# Altium PCB POWER_SUPPLY_20V_4A.PcbDoc (continued)
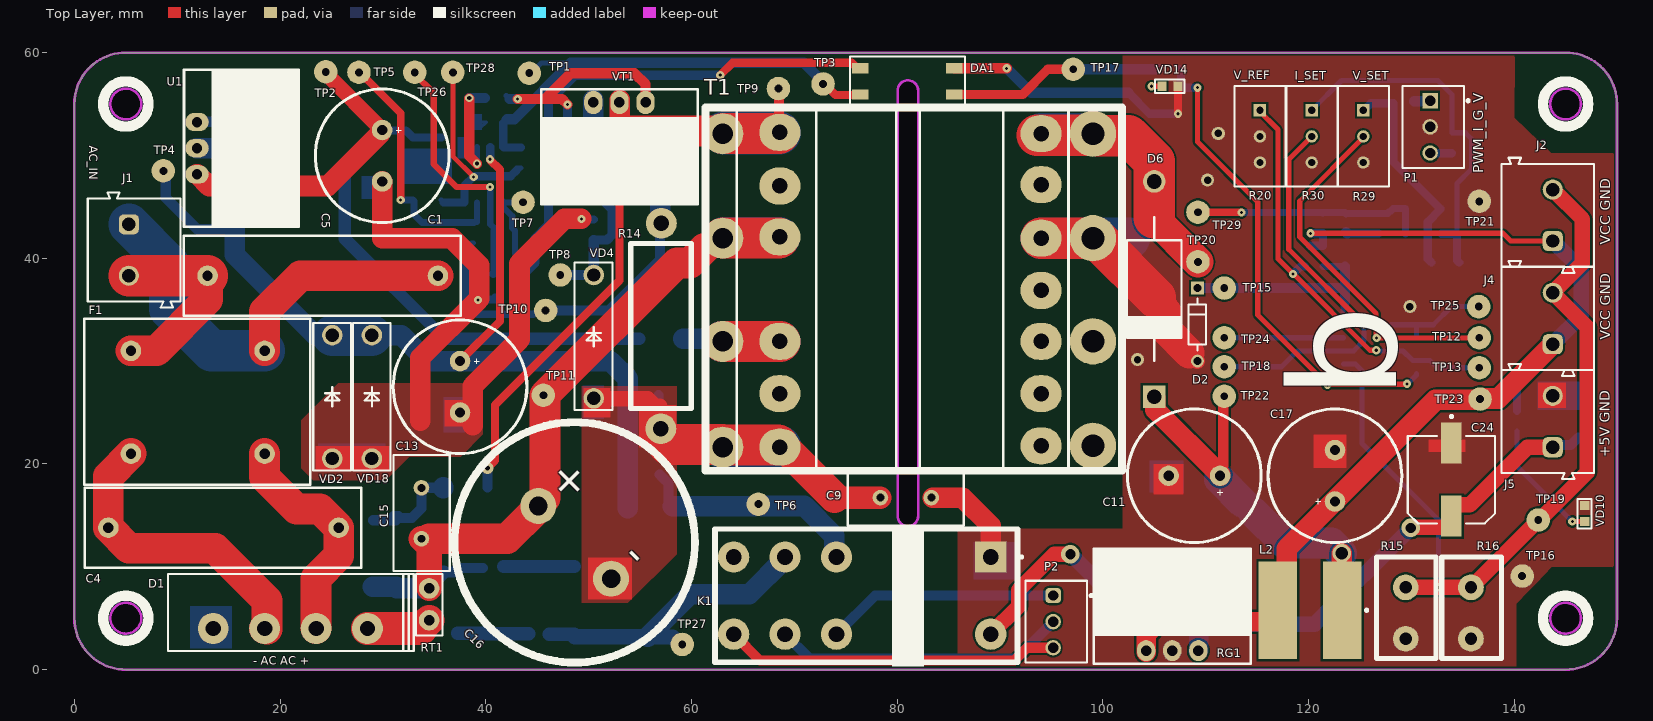
[diagram p0: Top Layer view]
## Footprints (in the part's own frame and the unit in brackets; to place one, negate y for a bottom-side part, rotate by r counter-clockwise, add the part's x,y. Pads: shape width x height; smd on the part's side, far side on the other; paste and mask are expansions set on the pad) (continued)
  silkscreen extent -320,-170 280,270, body extent -315,-165 275,265, height 997
TO-220_Bended_Rad#2 [mil]
  oval 70x90 hole 40: 1(-120,-120) 2(-20,-120) 3(80,-120)
  round 110 hole 55: 2(-20,130)
  silkscreen extent -320,-170 280,270, body extent -315,-165 275,265, height 997
TO-220_Bended_Rad#3 [mil]
  oval 70x90 hole 40: 1(-120,-120) 2(-20,-120) 3(80,-120)
  round 130 hole 60: 2(-20,130)
  silkscreen extent -320,-170 280,270, body extent -315,-165 275,265, height 997
Vishay_CRCW0805-e3_IPC_A [mil]
  rect 47.5x59.38 smd paste+0 mask+0: 1(-41.37,0) 2(41.37,0)
  silkscreen extent -3,-25 3,25, body extent -39,-25 39,25, height 20
WE-PD2_1054 [mm] "SMD Power Inductor, 2-Leads, body 10x9mm"
  rect 3.75x9.5 smd: 1(-3.125,0) 2(3.125,0)
  silkscreen extent -5.63,-0.12 -5.38,0.12, body extent -5.04,-4.5 5.04,4.5, height 5.43

## Part data
C2 C3 C6 C7 C10 C12 C14 C18 C19 C22: library part CMP-1036-04552-2, "CAP CER 0.22UF 50V X7R 0805", Capacitance="0.22 μF", Manufacturer=KEMET, Manufacturer Part Number=C0805C224K5RACTU, Package=C0805C-DN, Temperature="-55°C to +125°C", Temperature Characteristic=X7R, Temperature Coefficient=30ppm/°C, Temperature Range High=+125°C, Temperature Range Low=-55°C, Tolerance=0.1, Voltage Rating="50 V", Automotive=No, Category=Cap, ComponentLink2Description=Datasheet, ComponentLink2URL=https://content.kemet.com/datasheets/KEM_C1003_C0G_SMD.pdf, Device Class L1="Passive Components", Device Class L2=Capacitors, Device Class L3="Ceramic Capacitors", Digikey Description="CAP CER 0.22UF 50V X7R 0805", Height=0.88mm, Ipc Land Pattern Name=CAPC200125X78, Lead Free=Yes, Material=Ceramic, Mouser Description="CAP CER 0.22UF 50V X7R 0805", Octopart=https://octopart.com/c0805c224k5ractu-kemet-144670, RoHS=TRUE
C5: library part CAP-POLAR, "1000uF_50V  12x25(13x26mm)"
C8: library part CMP-1036-04552-2, "CAP CER 2.2nF 50V X7R 0805", Capacitance="0.22 μF", Manufacturer=KEMET, Manufacturer Part Number=C0805C224K5RACTU, Package=C0805C-DN, Temperature="-55°C to +125°C", Temperature Characteristic=X7R, Temperature Coefficient=30ppm/°C, Temperature Range High=+125°C, Temperature Range Low=-55°C, Tolerance=0.1, Voltage Rating="50 V", Automotive=No, Category=Cap, ComponentLink2Description=Datasheet, ComponentLink2URL=https://content.kemet.com/datasheets/KEM_C1003_C0G_SMD.pdf, Device Class L1="Passive Components", Device Class L2=Capacitors, Device Class L3="Ceramic Capacitors", Digikey Description="CAP CER 0.22UF 50V X7R 0805", Height=0.88mm, Ipc Land Pattern Name=CAPC200125X78, Lead Free=Yes, Material=Ceramic, Mouser Description="CAP CER 0.22UF 50V X7R 0805", Octopart=https://octopart.com/c0805c224k5ractu-kemet-144670, RoHS=TRUE
C11 C17: library part CAP-POLAR
C20: library part CMP-1036-04552-2, "CAP CER 0.1UF 50V X7R 0805", Capacitance="0.22 μF", Manufacturer=KEMET, Manufacturer Part Number=C0805C224K5RACTU, Package=C0805C-DN, Temperature="-55°C to +125°C", Temperature Characteristic=X7R, Temperature Coefficient=30ppm/°C, Temperature Range High=+125°C, Temperature Range Low=-55°C, Tolerance=0.1, Voltage Rating="50 V", Automotive=No, Category=Cap, ComponentLink2Description=Datasheet, ComponentLink2URL=https://content.kemet.com/datasheets/KEM_C1003_C0G_SMD.pdf, Device Class L1="Passive Components", Device Class L2=Capacitors, Device Class L3="Ceramic Capacitors", Digikey Description="CAP CER 0.22UF 50V X7R 0805", Height=0.88mm, Ipc Land Pattern Name=CAPC200125X78, Lead Free=Yes, Material=Ceramic, Mouser Description="CAP CER 0.22UF 50V X7R 0805", Octopart=https://octopart.com/c0805c224k5ractu-kemet-144670, RoHS=TRUE
C24: library part CMP-05427-000015-1, "CAP ALUM 100UF 20% 50V SMD", Capacitance=100uF, Leakage Current=100uA, Manufacturer=Panasonic, Package=SF, Ripple Current=200mA, Temperature="-40°C to +85°C", Temperature Range High=+85°C, Temperature Range Low=-40°C, Tolerance=20%, Voltage=50V, Automotive=Yes, Automotive Grade="Grade 3", Category=Cap, ComponentLink2Description=Datasheet, ComponentLink2URL=https://industrial.panasonic.com/cdbs/www-data/pdf/RDE0000/ABA0000C1145.pdf, Device Class L1="Passive Components", Device Class L2=Capacitors, Device Class L3="Aluminum Electrolytic Capacitors", Digikey Description="CAP ALUM 100UF 20% 50V SMD", Dissipation Factor=0.12%, Height=10.5mm, Lead Free=Yes, Life=2000Hours, Manufacturer Part Number=EEE-1HA101UP, Material=Aluminum, Mouser Description="Cap Aluminum Lytic 100uF 50V 20% (8 X 10.2mm) SMD 200mA 2000h 85C Automotive T/R", Octopart=https://octopart.com/eee-1ha101up-panasonic-55396734, RoHS=TRUE, Voltage Rating=50V
D2: library part CMP-02541-000026-1, "DIODE ZENER 8.2V 500MW DO35", Case/Package=DO-35, Max Operating Temperature=175°C, Max Power Dissipation=500mW, Max Reverse Leakage Current=100nA, Min Operating Temperature=-65°C, Package Quantity=30000, Test Current=5mA, Tolerance=2%, Zener Voltage=8.2V, Contact Plating=Tin, Element Configuration=Single, ESD Protection=No, Impedance=7R, Lead Free="Lead Free", Mount="Through Hole", Number of Pins=2, Packaging="Ammo Pack", Power Dissipation=500mW, Radiation Hardening=No, RoHS Compliant=Yes, Series="Automotive, AEC-Q101", Voltage Tolerance=2%
J1 J4 J5: "WR-TBL Series 101 Horizontal Entry Modular, THT, pitch 5mm, 2p", Manufacturer="Wurth Elektronik", Operating Temperature Max=105°C, Operating Temperature Min=-40°C, Rated Current=16A, Working Voltage=250V, Application="Pressure Clamp", Category="Terminal Blocks", ComponentLink1Description="Website Link", ComponentLink1URL=https://www.we-online.com/redexpert/article/691101710002?ad, ComponentLink2Description="Datasheet Link", ComponentLink2URL=https://www.we-online.com/redexpert/spec/691101710002?ad, Manufacturer Part Number=691101710002, Match Code=WR-TBL, Modularity=Yes, Mount="Through Hole", Number of Pins=2, Number of Rows=1, Orientation=Horizontal, Packaging=Box, Pitch=5mm
J2: library part 691101710002, "WR-TBL Series 101 Horizontal Entry Modular, THT, pitch 5mm, 2p", Manufacturer="Wurth Elektronik", Operating Temperature Max=105°C, Operating Temperature Min=-40°C, Rated Current=16A, Working Voltage=250V, Application="Pressure Clamp", Category="Terminal Blocks", ComponentLink1Description="Website Link", ComponentLink1URL=https://www.we-online.com/redexpert/article/691101710002?ad, ComponentLink2Description="Datasheet Link", ComponentLink2URL=https://www.we-online.com/redexpert/spec/691101710002?ad, Manufacturer Part Number=691101710002, Match Code=WR-TBL, Modularity=Yes, Mount="Through Hole", Number of Pins=2, Number of Rows=1, Orientation=Horizontal, Packaging=Box, Pitch=5mm
L2: library part 744776012, "WE-PD2 SMT Power Inductor, size 1054, 1.2µH, 7.4A, 0.006Ω", Case/Size Code=1054, DC Resistance=0.004Ω, DC Resistance Max=0.006Ω, Inductance=1.2µH, Manufacturer="Wurth Elektronik", Operating Temperature Max=125°C, Operating Temperature Min=-40°C, Rated Current=7.4A, Saturation Current=11A, Self Resonant Frequency=110MHz, Category="Unshielded Power Inductors", ComponentLink1Description="Website Link", ComponentLink1URL=https://www.we-online.com/redexpert/article/744776012?ad, ComponentLink2Description="Datasheet Link", ComponentLink2URL=https://www.we-online.com/redexpert/spec/744776012?ad, Height=5.4mm, Length=10mm, Manufacturer Part Number=744776012, Match Code=WE-PD2, Mount="Surface Mount", Packaging="Tape and Reel", Width=9mm
P1 P2: "WR-WTB THT Male Vertical Locking Header, pitch 2.54mm, 3pins", Contact Resistance=20mΩ, Manufacturer="Wurth Elektronik", Operating Temperature Max=105°C, Operating Temperature Min=-40°C, Rated Current=3A, Withstanding Voltage=1000VAC, Working Voltage=250VAC, Category="Wire-to-Board Connectors", ComponentLink1Description="Website Link", ComponentLink1URL=https://www.we-online.com/redexpert/article/61900311121?ad, ComponentLink2Description="Datasheet Link", ComponentLink2URL=https://www.we-online.com/redexpert/spec/61900311121?ad, Gender=Male, Height=11.5mm, Length=7.62mm, Manufacturer Part Number=61900311121, Match Code=WR-WTB, Mount="Through Hole", Number of Pins=3, Number of Rows=1, Orientation=Vertical, Packaging=Bag, Pitch=2.54mm, Width=5.8mm
R1 R18 R19 R21 R22: library part RES-CONST, "1K"
R2: library part RES-CONST, "100K"
R3 R4 R5 R6 R9 R10 R11 R12 R13 R14 R17 R23 R24 R25: library part RES-CONST
R7: library part CRCW08050000Z0EA, "100K"
R8: library part CRCW08050000Z0EA
R15 R16: library part RES-CONST, "10K"
RG1: "REG IC REG LINEAR 5V 1A TO220AB", Current-Output=1A, Digikey Part Number=LM7805CT-ND, Manufacturer=Fairchild, Mouser Part Number=512-LM7805CT, Package=TO220, Temperature="-40°C to +125°C", Temperature Range High=+125°C, Temperature Range Low=-40°C, Voltage - Input (Max)=35V, Voltage - Output=5V, Voltage Dropout (Max)="2V @ 1A (Typ)", ComponentLink1Description=Upverter, ComponentLink1URL=https://upverter.com/upn/revision/b27a7358b7dd93a3/, ComponentLink2Description=Datasheet, ComponentLink2URL=https://www.fairchildsemi.com/datasheets/LM/LM7805.pdf, Digikey Description="REG IC REG LINEAR 5V 1A TO220AB", helpURL=https://upverter.com/upn/revision/b27a7358b7dd93a3/, Ipc Land Pattern Name=TO-220, Lead Free=yes, Part Number=LM7805CT, Price=0.384521982769, RoHS=TRUE, Supplier 1=Digi-Key, Supplier 2=Mouser, Supplier Part Number 1=LM7805CT-ND, Supplier Part Number 2=512-LM7805CT
T1: library part Trans_ETD59
TP1 TP2 TP3 TP4 TP5 TP6 TP7 TP8 TP9 TP10 TP11 TP12 TP13 TP15 TP16 TP17 TP18 TP19 TP20 TP21 TP22 TP23 TP24 TP25 TP26 TP27 TP28 TP29: library part TP_PCB?, "Test_Point"
U2: library part CMP-1310-00291-2, "IC OPAMP GP 2 CIRCUIT 8SOIC", Case/Package=SOIC, Dual Supply Voltage=9V, Input Bias Current=250nA, Input Offset Voltage (Vos)=7mV, Max Dual Supply Voltage=16V, Max Operating Temperature=70°C, Max Supply Voltage=32V, Min Dual Supply Voltage=1.5V, Min Operating Temperature=0°C, Min Supply Voltage=3V, Nominal Supply Current=1.2mA, Operating Supply Current=1.5mA, Output Current=40mA, Package Quantity=2500, Power Supply Rejection Ratio (PSRR)=65dB, Voltage Gain=100dB, Bandwidth=1MHz, Common Mode Rejection Ratio=65dB, Contact Plating=Tin, Gain Bandwidth Product=1MHz, Halogen Free="Halogen Free", Height=1.5mm, Lead Free="Lead Free", Length=5mm, Number of Amplifiers=2, Number of Channels=2, Number of Circuits=2, Number of Elements=2, Number of Pins=8, Operating Supply Voltage=16V, Output Current per Channel=40mA, Packaging="Tape and Reel", Radiation Hardening=No, REACH SVHC="No SVHC", Slew Rate=0.6V/µs, Width=4mm
U3: library part TL431_SOT-23-3, "TL431_SOT-23-3"
VD4: library part ZENER

## Via types
v1: diameter 0.8, hole 0.3, Top Layer to Bottom Layer, tented both sides, 23 vias
v2: diameter 1.27, hole 0.711, Top Layer to Bottom Layer, tented both sides, 4 vias
v3: diameter 1.8, hole 1, Top Layer to Bottom Layer, tented both sides, 2 vias
v4: diameter 0.8, hole 0.4, Top Layer to Bottom Layer, tented both sides, 2 vias
v5: diameter 1.8, hole 1.2, Top Layer to Bottom Layer, tented both sides, 1 vias
v6: diameter 1.2, hole 0.5, Top Layer to Bottom Layer, tented both sides, 1 vias

## Nets (pads, with @x,y where several pads share a name; then routed paths per layer and width w, separated by ;. In a path a pad name is that pad's centre, name@x,y a point inside that pad or via, vN(x,y) a via of type N, cw(c..) or ccw(c..) an arc to the next point about the centre after c; other vN are vias at no path point)
+20V: C17.1 J2.1 J4.1 L2.2 R19.2 R21.2 R22.2 R23.2 RG1.1 TP23.1 | length 104.7
  Top Layer w0.5: v1(120.2,42.425) 138.913,42.425 139.663,41.675 J2.1
  Top Layer w1.5: RG1.1 RG1.1@104.221,1.861 ; L2.2@115.9,4.65 L2.2
  Top Layer w1.9: RG1.1@104.221,1.675 104.221,1.861 104.221,3.405 105.466,4.65 L2.2@115.9,4.65
  Top Layer w2: L2.2 117.896,6.646 117.896,11.771 122.475,16.35 C17.1 ; C17.1@122.575,16.45 132.35,26.225 TP23.1@136.603,26.225 ; TP23.1 136.739,26.361 138.462,26.361 J4.1
  Bottom Layer w0.5: R19.2@121.264,42.243 121.419,42.088 R22.2
  Bottom Layer w0.8: R21.2@120.152,41.187 120.189,41.225 R22.2@121.394,41.225 ; v1(120.2,42.425) R19.2 121.419,42.088 R22.2 ; R23.2 140.275,28.174 J4.1
  Bottom Layer w1.5: J4.1 146.539,34.438 146.539,38.886 J2.1
+350V: C15.2 C16.1 R10.1 R11.2 RT1.1 T1.3 TP11.1 | length 74.7
  Top Layer w2: C15.2 C15.2@34.5,12.725 ; 61.269,40.952 61.503,40.952 62.503,41.952 T1.3@63.045,41.952
  Top Layer w2.5: C15.2 34.5,11.975 RT1.1
  Top Layer w3: C15.2@34.5,12.725 42.068,12.725 44.864,15.522 44.864,15.525 45.114,15.775 45.114,16.046 45.762,16.694 TP11.1@45.762,26.518 ; TP11.1@45.731,26.681 58.601,39.551 59.868,39.551 61.269,40.952
  Top Layer w4: T1.3@63.068,41.975 T1.3@68.495,41.975
  Bottom Layer w0.3: T1.3@63.045,41.952 T1.3@63.108,42.015 ; T1.3@68.535,42.015 T1.3@68.599,42.079
  Bottom Layer w1: RT1.1 RT1.1@34.5,8.05 ; 35.925,9.475 37.025,9.475 R11.2@37.025,9.651 ; R11.2@37.25,9.875 R11.2@39.7,9.875
  Bottom Layer w1.3: RT1.1@34.5,8.05 35.925,9.475
  Bottom Layer w2: R10.1@29.035,8.075 R10.1@31.275,8.075 ; R10.1@31.35,7.9 RT1.1
  Bottom Layer w4: T1.3@63.108,42.015 T1.3@68.535,42.015
GND: C2.2 C3.2 C5.2 C6.2 C8.2 C9.1 C13.2 C14.2 C16.2 C20.2 D1.1 DA2.5 R1.2 R2.1 R9.2 R14.1 T1.6 VD2.2 VD4.2 VD18.2 | length 113.1
  Top Layer w1.5: VD4.2 50.525,26.35 55.744,26.35 56.494,25.6 56.9,25.6 56.9,22.774 57.779,21.895 ; T1.6@68.554,21.895 T1.6@68.754,21.895
  Top Layer w2: C5.2 29.928,41.925 36.725,41.925 39.35,39.3 39.35,36.05 v1(39.25,35.95) 33.625,30.325 33.625,24.2 ; 38.75,23.775 38.75,27.575 43.282,32.107 43.282,39.482 47.625,43.825 v1(49.3,43.825)
  Top Layer w2.2: 73.924,16.725 C9.1
  Top Layer w3: T1.6@67.135,21.925 67.165,21.895 T1.6@68.554,21.895 ; T1.6@68.754,21.895 73.924,16.725
  Top Layer w4: 57.779,21.895 T1.6@63,21.895 ; T1.6@63.251,21.838 T1.6@68.392,21.838
  Bottom Layer w0.3: DA2.5 38.045,50.97 38.045,51.57 38.071,51.596 38.071,52.149 38.602,52.681 38.999,52.681 39.171,52.853 39.171,53.249 C20.2 40.048,53.223 C20.2@39.446,52.621 ; T1.6@63.045,21.632 63.045,21.575 T1.6@63.102,21.632
  Bottom Layer w0.8: v1(39.25,35.95) 39.3,36 40.9,36 R1.2@40.9,36.175 ; v1(49.3,43.825) 49.351,43.774 R9.2
  Bottom Layer w1: C14.2@56.802,26.681 56.802,23.773 R14.1@57.088,23.487 ; C6.2@56.985,20.825 56.985,23.465 R14.1@57.008,23.442
  Bottom Layer w4.2: T1.6@63.102,21.632 T1.6@68.599,21.632
GND_1: C9.2 C10.2 C11.2 C12.2 C17.2 C18.2 C19.2 C21.2 C22.1 C24.1 D2.2 DA1.2 J5.2 K1.1 P1.2 R15.1 R16.1 R20.2 R20.3 R29.3 R30.3 RG1.2 T1.10 TP16.1 TP21.1 U2.4 U3.3 VD5.2 VD10.1 VD14.1 | length 71.7
  Top Layer w0.8: v1(107.309,54.05) VD14.1
  Top Layer w1: DA1.2 v1(90.655,58.47)
  Top Layer w1.5: 108.4,30.8 D2.2
  Top Layer w2: C9.2@83.477,16.727 86.363,16.727 89.1,13.99 K1.1
  Top Layer w3: 105.134,35.801 106.133,34.802 106.133,33.067 108.4,30.8
  Top Layer w4: T1.10@93.999,41.952 T1.10@99.045,41.952 ; T1.10@99.276,41.952 99.276,41.856 99.43,41.702 99.607,41.702 105.134,36.175
  Bottom Layer w0.3: 102.595,41.952 102.832,41.716
  Bottom Layer w0.8: 102.5,56.1 104.55,54.05 v1(107.309,54.05) ; C22.1@123.779,42.4 U3.3
  Bottom Layer w1: v1(90.655,58.47) 93.025,56.1 102.5,56.1 ; C22.1 C22.1@123.779,42.4 ; J5.2 143.932,26.443 145.879,26.443 VD5.2
  Bottom Layer w4: T1.10@93.999,41.952 99.045,41.952 102.595,41.952
  other v2: 103.372,30.144 129.855,35.299 110.199,47.599 111.227,52.15
I_SENS: J2.2 J4.2 R15.2 R16.2 TP19.1 U2.5 | length 79.9
  Top Layer w1.5: R15.2 v1(132.625,8) R16.2 TP19.1 ; TP19.1@142.471,14.546 147.098,19.173 147.098,33.302 J4.2@143.665,36.736 ; J4.2 146.625,39.524 146.625,43.8 J2.2
  Bottom Layer w0.5: U2.5 124.555,29.72 125.205,29.07 125.205,21.989 132.625,14.569 v1(132.625,8)
  Bottom Layer w1.5: J2.2@143.629,46.675 J2.2
NetC1_1: C1.1 F1.2 J1.1 | length 42.9
  Top Layer w3: F1.2 18.5,34.826 21.974,38.3 C1.1
  Bottom Layer w4: J1.1 9.25,39.35 9.25,35.075 13.325,31 F1.2
NetC1_2: C1.2 F1.1 J1.2 | length 19.5
  Top Layer w3: F1.1 7.975,31 12.952,35.977 C1.2
  Top Layer w4: J1.2 C1.2
NetC2_1: C2.1 C5.1 R2.2 TP2.1 U1.3 VD1.1 | length 78.9
  Top Layer w1.5: TP2.1 24.45,57.945 C5.1@29.85,52.545 ; C5.1@29.678,52.053 C5.1@29.678,52.082
  Top Layer w2: U1.3 11.957,48.161 13.095,47.024 24.649,47.024 C5.1@29.678,52.053
  Bottom Layer w0.8: C5.1@29.97,52.425 32.228,52.425 32.904,51.749 R2.2
  Bottom Layer w1.2: C5.1 29.928,52.303 26.3,48.675 26.3,41.89 36.015,32.175 VD1.1
NetC3_1: C3.1 DA2.3 R6.1 TP5.1 | length 24.8
  Top Layer w0.7: TP5.1 27.759,58.075 31.728,54.106 v1(31.728,45.677)
  Bottom Layer w0.6: R6.1@39.165,43.524 DA2.3
  Bottom Layer w0.7: v1(31.728,45.677) 31.742,45.664 32.904,45.664 33.022,45.546 33.022,44.257 33.805,43.474 R6.1
NetC4_1: C4.1 D1.3 F1.3 | length 22.2
  Top Layer w3: F1.3 18.5,18.725 21.6,15.625 23.875,15.625 C4.1 25.7,11.075 23.5,8.875 D1.3
NetC4_2: C4.2 D1.2 F1.4 | length 29.6
  Top Layer w3: F1.4 3.3,18.8 C4.2 5.3,11.8 13.675,11.8 18.745,6.73 D1.2@18.745,4.245 ; D1.2 D1.2@18.745,4.245 ; D1.2@18.745,3.925 D1.2@18.745,4.245
NetC6_1: C6.1 K1.2 TP6.1 VD3.2 | length 22.9
  Bottom Layer w1: C6.1 56.926,18.974 57.178,18.722 57.178,18.696 57.779,18.096 57.779,16.246 VD3.2
  Bottom Layer w2: VD3.2@58.2,15.889 66.101,15.889 66.249,16.037 66.374,16.037 66.443,16.106 66.57,16.106 66.727,15.949 66.851,15.949 66.887,15.914 70.985,15.914 73.899,13 73.899,11.151 K1.2
NetC7_1: C7.1 DA2.2 R5.2 R8.1 TP26.1 | length 24.8
  Top Layer w0.6: TP26.1 33.1,57.907 34.938,56.069 34.938,49.162 37.175,46.925 v1(40.425,46.925)
  Bottom Layer w0.5: C7.1@40.85,42.675 C7.1@40.949,42.774
  Bottom Layer w0.6: v1(40.425,46.925) 40.435,46.915 40.435,43.314 40.949,42.8 C7.1@40.949,42.774
  Bottom Layer w0.8: R8.1 40.85,38.6 R5.2 C7.1@40.85,42.675
NetC7_2: C7.2 DA2.1 R5.1 TP7.1 | length 7.4
  Bottom Layer w0.5: C7.2@42.751,42.774 C7.2@42.85,42.675
  Bottom Layer w0.6: DA2.1 41.705,45.435 43.61,45.435 TP7.1 ; DA2.1@41.705,45.495 41.705,45.347 41.705,44.97 42.574,44.101 42.574,42.951 C7.2@42.751,42.774 ; R5.1 C7.2@42.85,42.675
NetC8_1: C8.1 DA2.4 R4.1 TP28.1 | length 21.2
  Top Layer w0.5: TP28.1 36.8,49.925 v1(38.825,47.9)
  Bottom Layer w0.5: C8.1 C8.1@35.898,45.42 ; DA2.4 DA2.4@37.926,45.451 ; R4.1@43.049,48.598 43.049,48.624 43.199,48.774 R4.1
  Bottom Layer w0.8: C8.1@35.898,45.42 DA2.4 ; DA2.4@37.926,45.451 37.926,47.052 38.849,47.975 42.426,47.975 R4.1@43.049,48.598
NetC10_1: C10.1 C11.1 D6.1 L2.1 TP22.1 | length 37.3
  Top Layer w1: C11.1 111.592,19.041 111.592,19.748 111.717,19.873 111.717,26.367 TP22.1@111.925,26.575
  Top Layer w2: D6.1 105.1,26.43 105.1,25.282 111.401,18.981 C11.1 ; v5(123.225,11.3) 123.225,5.825 L2.1
  Bottom Layer w3: C11.1@111.325,18.55 113.65,16.225 ; 114.658,15.292 117.65,12.3 122.225,12.3 v5(123.225,11.3)
NetC12_1: C12.1 C21.1 D2.1 R22.1 TP15.1 U2.8 | length 22.3
  Bottom Layer w0.5: U2.8@123.355,33.55 123.355,35.501 C12.1 C12.1@123.555,35.749
  Bottom Layer w0.7: R22.1 C21.1
  Bottom Layer w1: D2.1 TP15.1 123.43,37.1 123.555,37.225 ; C12.1@123.555,35.749 123.555,37.225 ; C21.1 123.555,37.225
NetC13_1: C13.1 C14.1 DA2.7 TP4.1 VD2.1 VD3.1 VD6.1 VD18.1 | length 93.1
  Top Layer w0.6: v1@40.425,49.571 v1(40.425,49.625)
  Top Layer w0.8: C13.1 41.375,33.875 41.375,48.621 v1@40.425,49.571
  Bottom Layer w0.3: 53.825,26.673 54.848,26.673 55.1,26.925 C14.1
  Bottom Layer w0.6: v1(40.425,49.625) v1@40.435,49.635
  Bottom Layer w0.8: v1@40.435,49.635 DA2.7
  Bottom Layer w1: TP4.1 8.896,48.254 8.896,45.879 11.95,42.825 VD6.1
  Bottom Layer w2: VD6.1 15.6,42.825 15.6,40.35 23.425,32.525 VD2.1 ; VD18.1 31.8,32.525 34.325,30 52.125,30 53.825,28.3 53.825,26.673 VD3.1@53.825,15.689
  Bottom Layer w4: VD2.1@25.127,32.475 VD18.1@28.878,32.475
NetC15_1: C15.1 R10.2 VD13.1 | length 10.1
  Bottom Layer w1: R10.2@29.05,14.525 31.05,14.525 31.05,14.925 R10.2@31.5,14.925 ; R10.2@31.275,14.525 31.493,14.743 32.804,14.743 33.75,15.689 C15.1 VD13.1@36.025,17.675
  Bottom Layer w2: VD13.1@35.875,17.65 VD13.1
NetC18_1: C18.1 R18.2 R29.1 VD9.1 | length 21.3
  Bottom Layer w0.8: R29.1@125.38,54.39 125.38,54.44 125.53,54.59 125.58,54.59 126.058,55.068 128.255,55.068 128.255,49.35 132.78,44.825 132.83,44.825 132.83,44.774 131.6,43.544 131.6,39.928 131.952,39.576 C18.1
NetC19_1: C19.1 R17.2 R30.1 VD15.1 | length 35.5
  Bottom Layer w0.5: R30.1 123.2,57.275 132.575,57.275 133.95,55.9 R17.2 135.25,52.2 135.876,51.574 135.876,48.701 134.45,47.275 134.45,42.375
  Bottom Layer w0.8: VD15.1 134.45,42.375 ; 134.45,42.35 134.45,39.773 C19.1
NetC20_1: C20.1 DA1.4 DA2.8 R4.2 TP1.1 TP3.1 | length 47.1
  Top Layer w0.6: 75.025,55.875 75.053,55.902 ; DA1.4@76.398,55.902 DA1.4
  Top Layer w0.8: TP3.1 72.937,56.95 74.012,55.875 75.025,55.875 DA1.4@76.37,55.875
  Bottom Layer w0.5: C20.1@41.705,53.143 C20.1@42.047,53.484 ; TP1.1@44.197,57.786 45.411,59 48.575,59 ; TP3.1 TP3.1@72.8,57.125
  Bottom Layer w0.8: DA2.8 C20.1@41.705,53.143 ; DA2.8@41.751,50.774 R4.2
  Bottom Layer w1: C20.1@42.047,53.484 42.089,53.527 42.792,53.527 48.265,59 ; 48.575,59 70.925,59 TP3.1@72.8,57.125
NetC22_2: C22.2 R19.1 TP29.1 U3.1 U3.2 VD9.2 VD15.2 | length 23
  Top Layer w0.7: TP29.1 109.26,44.465 113.474,44.465 v1(113.484,44.456)
  Bottom Layer w0.7: v1(113.484,44.456) 113.499,44.44 121.372,44.44 121.388,44.425 121.419,44.456 123.525,44.456 C22.2 123.692,44.363 127.718,44.363 U3.2 127.755,44.45 127.805,44.5 127.89,44.5 128.215,44.825 VD9.2 VD15.2
NetC24_2: C24.2 J5.1 K1.8 RG1.3 VD5.1 | length 75.4
  Top Layer w1.5: K1.8 91.8,6.15 91.8,7.732 95.293,11.225 v3(96.85,11.225) ; v3(129.95,13.775) 130.007,13.832 133.65,13.832 133.75,13.932 133.75,16.028 135.678,16.028 141.275,21.625 J5.1
  Bottom Layer w1: J5.1 143.975,21.85 145.522,21.85 VD5.1
  Bottom Layer w1.5: v3(96.85,11.225) 103.65,4.425 109.325,4.425 120.6,4.425 v3(129.95,13.775)
  Bottom Layer w1.9: RG1.3 109.325,1.885 109.325,4.425
NetD1_4: D1.4 RT1.2 | length 6.3
  Top Layer w3: 33.7,4 RT1.2
  Top Layer w3.2: D1.4 33.7,4
NetD6_2: D6.2 T1.12 TP20.1 | length 29.1
  Top Layer w3: 105,43.9 TP20.1
  Top Layer w4: T1.12@93.625,51.967 99.045,51.967 99.094,52.016 99.494,52.016 99.597,51.913 102.513,51.913 105,49.427 105,43.9
  Bottom Layer w4: T1.12@93.999,52.112 T1.12@99.045,52.112
NetDA1_1: DA1.1 R25.2 TP17.1 | length 21
  Top Layer w0.9: DA1.1 92.205,55.93 94.65,58.375 TP17.1
  Bottom Layer w0.5: TP17.1 TP17.1@97.134,58.366 ; R25.2 R25.2@105.628,58.467
  Bottom Layer w1: TP17.1@97.134,58.366 R25.2@105.466,58.366
NetDA1_3: DA1.3 R1.1 R8.2 | length 53
  Top Layer w0.8: v1(62.8,57.8) 64,59 75.595,59 76.125,58.47 DA1.3
  Bottom Layer w0.5: R8.2 R8.2@42.989,38.637
  Bottom Layer w0.8: R8.2 42.9,38.4 R1.1
  Bottom Layer w0.9: R8.2@42.989,38.637 43.886,38.637 44.8,39.551 44.8,41.925 46.107,43.232 46.107,55.232 48.675,57.8 v1(62.8,57.8)
NetDA2_6: DA2.6 R7.1 | length 9.8
  Top Layer w1: v4@38.4,55.521 38.4,49.943 v4(39.146,49.197)
  Bottom Layer w0.6: v4(39.146,49.197) 39.165,49.216 DA2.6
  Bottom Layer w1: v4(38.4,55.575) R7.1
NetK1_3: K1.3 R13.1 TP27.1 | length 29.8
  Bottom Layer w0.3: R13.1@46.107,3.407 R13.1@46.175,3.475
  Bottom Layer w1.3: R13.1@46.175,3.45 R13.1@48.6,3.45
  Bottom Layer w1.5: R13.1@48.65,3.2 55.75,3.2 55.775,3.175 58.162,3.175 58.887,2.45 TP27.1
  Bottom Layer w2: 55.75,3.2 59.875,7.325 65.625,7.325 K1.3@69.1,10.8
NetK1_5: K1.5 P2.3 | length 32.6
  Top Layer w1: K1.5 66.66,0.89 91.395,0.89 92.63,2.125 P2.3
NetK1_6: K1.6 P2.2 | length 28.6
  Bottom Layer w1: K1.6 71.5,1.05 91.56,1.05 P2.2
NetK1_7: K1.7 P2.1 | length 22.6
  Bottom Layer w1: K1.7 77.855,7.205 P2.1
NetR3_1: R3.1 U1.1 | length 2.3
  Bottom Layer w1: U1.1 11.954,53.271 14.221,53.271 R3.1
NetR3_2: R3.2 U1.2 VD6.2 | length 12.5
  Bottom Layer w1: 15.45,50.651 15.4,50.701 16.25,50.701 R3.2
  Bottom Layer w2: U1.2@11.925,50.701 15.4,50.701 ; VD6.2 15.45,50.651
  Bottom Layer w3: 16.25,50.701 U1.2@18.275,50.701
NetR6_2: R6.2 R14.2 TP10.1 VT1.3 | length 47.9
  Bottom Layer w0.5: R6.2@38.45,41.099 38.45,41.324 38.6,41.474 R6.2 ; 44.639,34.55 44.672,34.583
  Bottom Layer w0.7: R6.2@38.45,41.099 38.45,40.614 38,40.164 38,35.715 39.165,34.55 44.639,34.55 ; 44.672,34.583 44.711,34.622 45.522,34.622 TP10.1
  Bottom Layer w1: TP10.1 52.025,34.925 56.95,39.85 R14.2@56.95,43.4
  Bottom Layer w2: VT1.3@50.46,55.43 VT1.3 50.46,53.09 51.475,52.075 54.525,52.075 56.95,49.65 R14.2@56.95,43.4
NetR7_2: R7.2 R9.1 TP8.1 VD4.1 VT1.1 | length 42.4
  Top Layer w1: v1(43.103,55.49) 46.187,55.49 47.41,55.49 v1(47.95,54.95) ; 45.865,55.59 45.976,55.701 48.275,58 54.45,58 55.54,56.91 VT1.1
  Bottom Layer w0.5: R7.2@42,55.8 R7.2@42.31,55.49 ; TP8.1 TP8.1@47.275,38.4
  Bottom Layer w0.9: v1(47.95,54.95) 47.95,49.075 52.3,44.725 52.3,42.275 51.799,41.774 R9.1
  Bottom Layer w1: R7.2@42.31,55.49 v1(43.103,55.49) ; TP8.1 VD4.1 R9.1
NetR11_1: R11.1 R12.2 | length 6.9
  Bottom Layer w0.3: R11.1@39.7,3.525 R11.1@39.75,3.475
  Bottom Layer w1.3: R11.1@37.25,3.525 R11.1@39.7,3.525 ; R11.1@39.75,3.475 41.725,3.475 R12.2@44.175,3.475
NetR12_1: R12.1 R13.2 | length 6.9
  Bottom Layer w1.3: R12.1@41.725,10.025 44.175,10.025 46.175,10.025 R13.2@48.625,10.025
NetR20_1: R20.1 R21.1 TP13.1 U2.3 | length 40.6
  Top Layer w0.5: R20.1@115.116,54.419 117.025,52.51 117.025,39.95 v1@118.557,38.418 ; v1@118.607,38.418 125.963,31.062 126.578,31.062 v1(126.584,31.056)
  Bottom Layer w0.5: v1(126.584,31.056) 126.665,31.056 126.723,30.998 128.013,30.998 U2.3 128.029,30.982 129.194,30.982 130.101,30.075 131.799,30.075 132.524,29.349 TP13.1
  Bottom Layer w0.8: v1(118.5,38.475) 119.225,39.2 R21.1
NetR23_1: R23.1 VD10.2 | length 12.2
  Top Layer w0.5: v1(145.65,14.4) VD10.2
  Bottom Layer w0.5: R23.1 140.275,19.775 v1(145.65,14.4)
NetR24_1: R24.1 VD14.2 | length 1.9
  Top Layer w0.5: v1(104.725,56.722) 104.728,56.724 105.756,56.724 VD14.2
  Bottom Layer w0.5: v1(104.725,56.722) 104.747,56.699 105.546,56.699 R24.1
NetR24_2: R24.2 R25.1 VD16.1 VD17.1 | length 48.4
  Top Layer w0.5: v1(109.2,56.585) 109.2,51.325 115.06,45.465 115.06,34.484 v1(121.844,27.7) 121.89,27.746 129.534,27.746 v1(129.58,27.792)
  Bottom Layer w0.5: VD16.1 120.794,28.625 121.661,27.758 121.786,27.758 v1(121.844,27.7) ; v1(129.58,27.792) 129.642,27.792 130.5,28.65 VD17.1
  Bottom Layer w0.8: R25.1 107.534,58.148 107.608,58.073 107.608,57.176 107.568,57.136 107.568,56.585 v1(109.2,56.585)
NetR29_2: R29.2 TP12.1 U2.2 | length 36.6
  Top Layer w0.5: R29.2 125.33,51.73 119.15,45.55 119.15,42.068 126.575,34.643 126.575,32.315 v1(126.63,32.26) 136.41,32.26 TP12.1@136.55,32.4
  Bottom Layer w0.5: v1(126.63,32.26) U2.2
NetR30_2: R30.2 TP18.1 U2.6 | length 38.5
  Top Layer w0.5: R30.2 118.075,49.61 118.075,40.875 v1(125.4,33.55)
  Bottom Layer w0.5: TP18.1 117.373,29.448 118.915,30.99 U2.6 123.397,30.998 124.398,30.998 125.4,32 v1(125.4,33.55)
NetT1_1: T1.1 TP9.1 VD13.2 VT1.2 | length 68.2
  Top Layer w0.5: TP9.1@68.483,56.525 TP9.1 TP9.1@68.506,56.452
  Top Layer w0.8: v6(40.175,19.6) 40.907,20.332 40.907,25.739 53,37.832 VT1.2@53,48.8
  Top Layer w1: T1.1@68.506,52.55 TP9.1@68.506,56.452
  Top Layer w2: 53.05,52.375 VT1.2@53.05,55.43
  Top Layer w3: VT1.2@53.05,48.85 53.05,52.375 62.074,52.375 62.146,52.303 62.853,52.303 T1.1@63.045,52.112
  Top Layer w4: T1.1@63.068,52.135 T1.1@68.495,52.135
  Bottom Layer w0.3: T1.1@63.045,52.112 63.045,52.239 T1.1@63.108,52.175 ; T1.1@68.535,52.175 T1.1@68.599,52.239
  Bottom Layer w1: VD13.2 v6(40.175,19.6)
  Bottom Layer w4.2: T1.1@63.108,52.175 T1.1@68.535,52.175
NetT1_4: T1.4 VD1.2 | length 14.9
  Top Layer w4: T1.4@63.045,31.919 T1.4@68.599,31.919
  Bottom Layer w1: VD1.2 VD1.2@59.228,32.179 ; T1.4@68.551,32.179 T1.4@68.554,32.182
  Bottom Layer w2: VD1.2@59.228,32.179 T1.4@63.045,32.179
  Bottom Layer w4: T1.4@63.045,31.919 T1.4@68.599,31.919
NetTP24_1: TP24.1 U2.7 VD16.2 | length 11.6
  Bottom Layer w0.5: TP24.1 VD16.2 120.801,32.267 123.381,32.267 U2.7
NetTP25_1: TP25.1 U2.1 VD17.2 | length 10.6
  Bottom Layer w0.5: U2.1 130.5,33.53 132.131,33.53 133.9,35.299 TP25.1 ; 130.345,33.53 130.5,33.375 VD17.2
PWM_I: P1.3 R17.1 | length 2.2
  Bottom Layer w0.5: P1.3@131.75,50.235 P1.3@131.768,50.217 ; R17.1@133.933,50.217 R17.1
  Bottom Layer w0.8: P1.3@131.768,50.217 R17.1@133.933,50.217
PWM_V: P1.1 R18.1 | length 1.6
  Bottom Layer w0.5: P1.1@131.775,55.265 P1.1
  Bottom Layer w1: R18.1 P1.1@131.775,55.265
pads on no net: K1.4 T1.2 T1.5 T1.7 T1.8 T1.9 T1.11 T1.13

## Polygon pours and split planes (outlines as drawn)
GND on Bottom Layer "NONET_L-01_P-001" (solid, pour order 9): 36.427,50.65 37.15,51.373 37.15,52.57 38.6,54.02 40.025,54.02 40.026,52.471 38.946,52.471 38.275,51.8 38.275,49.581 36.45,47.756 36.45,47.225 32.225,47.225 30.347,45.347 27.928,45.347 27.928,47.982 30.596,50.65
GND on Bottom Layer "NONET_L-01_P-001" (solid, pour order 7): 9.725,1.9 9.725,9.3 27.825,27.4 40.425,27.4 43.239,24.586 48.286,24.586 48.9,25.2 48.9,27.7 51.799,27.7 51.799,23.124 49.425,20.75 43.5,20.75 34.5,20.75 30.4,16.65 25.85,16.65 16.125,6.925 16.125,1.9
GND_1 on Bottom Layer "NONET_L-01_P-001" (solid, pour order 4): 101.951,60 101.951,13.85 85.894,13.85 85.894,0 140.05,0 140.125,-0.075 140.206,0.006 140.206,6.498 143.808,10.1 149.988,10.1 149.988,50.1 143.475,50.1 140.011,53.564 140.011,60
GND_1 on Bottom Layer "NONET_L-01_P-001" (solid, pour order 1): 102.35,60.1 102.35,-0.025 142.225,-0.025 149.978,-0.025 150.238,60.1 145.05,60.1
GND on Top Layer "NONET_L-01_P-001" (solid, pour order 8): 22.05,24.25 25.65,27.85 38.847,27.85 39.725,26.972 39.725,22.875 37.547,20.697 32.574,20.697 30.278,18.4 23.225,18.4 22.05,19.575
GND on Top Layer "NONET_L-01_P-001" (solid, pour order 6): 49.325,27.575 49.325,6.5 53.825,6.5 58.55,11.225 58.55,27.575
GND_1 on Top Layer "NONET_L-01_P-001" (solid, pour order 5): 101.951,60 101.951,13.7 85.894,13.7 85.894,0 140.05,0 140.125,-0.075 140.206,0.006 140.206,6.498 143.808,10.1 149.988,10.1 149.988,50.1 143.475,50.1 140.011,53.564 140.011,60
GND_1 on Top Layer "NONET_L-01_P-001" (solid, pour order 0): 101.951,60 101.951,-0.125 142.1,-0.125 150,-0.125 150,60 144.925,60

## Keep-outs
Keep-Out Layer:
  circle w0.254: c5,55 r1.5
  circle w0.254: c5,5 r1.5
  circle w0.254: c145,5 r1.5
  circle w0.254: c145,55 r1.5
  lines w0.254: 0,54.973 0,5 ccw(c5,5) 5,0 144.95,0 ; 0,55 cw(c5,55) 5,60 145.275,60 ; 80.045,17.95 80.045,56.3 cw(c81.045,56.3) 82.045,56.3 82.045,17.95 ; 80.045,18.036 80.045,14.95 ccw(c81.045,14.95) 82.045,14.95 82.045,17.997 ; 145,0 ccw(c145,5) 150,5 150,55 ccw(c145,55) 145,60

## Other copper
Top Layer:
  rectangle net GND: 35.975,23.625 38.925,26.235
  rectangle net GND: 23.425,19.35 30.65,21.75
  rectangle net GND: 49.5,24.518 52.138,27.375
  rectangle net GND: 54.9,21.6 58.55,25.75
  rectangle net GND: 49.925,6.8 54.232,10.9
  rectangle net GND_1: 131.675,21.175 135.272,22.4
  rectangle net GND_1: 142.325,25.425 145.05,27.911
  rectangle net GND_1: 120.467,19.599 123.692,22.875
  rectangle net GND_1: 104.932,17.025 107.825,19.99
  pour cut-out: 150.058,50.194 143.598,50.194 140.011,53.655 140.075,60.019 149.991,60.019
  pour cut-out: 140.206,-0.033 140.206,6.426 143.667,10.013 150.031,9.949 150.031,0.033
Bottom Layer:
  rectangle net GND_1: 120.59,19.736 123.625,22.75
  rectangle net GND_1: 104.55,17.219 107.846,20.325
  rectangle net GND_1: 87.426,8.776 91.6,12.424
  rectangle net GND: 49.41,24.35 51.5,27.65
  rectangle net GND: 37.275,49.713 38.275,51.8
  rectangle net GND: 38.849,52.471 39.629,54.027
  rectangle net GND: 31.957,47.225 36.713,50.65
  rectangle net GND: 27.921,45.775 30.175,47.982
  rectangle net GND: 35.875,23.05 38.7,26.5
  rectangle net GND: 23.7,19.375 30.245,22
  rectangle net GND: 11.25,2.075 15.35,6.2
  rectangle net GND_1: 142.275,25.231 147.2,28.04
  pour cut-out: 150.058,50.194 143.598,50.194 140.011,53.655 140.075,60.019 149.991,60.019
  pour cut-out: 140.163,-0.008 140.162,6.451 143.624,10.038 149.988,9.974 149.987,0.058

## Silkscreen, mask and mechanical layers (free items; w line width, h text height)
Top Overlay:
  circle w1: c145,55 r2.2
  circle w1: c145,5 r2.2
  circle w1: c5,5 r2.2
  circle w1: c5,55 r2.2
  rectangle: 79.5,0.325 82.6,14.025
  text "V_REF" at 112.754,57.387 h0.8
  text "I_SET" at 118.679,57.362 h0.8
  text "V_SET" at 124.308,57.362 h0.8
  text "AC_IN" at 1.44,50.946 h0.8 r270
  text "PWM_I_G_V" at 136.99,48.279 h1 r90
  text "VCC GND" at 149.346,41.329 h1 r90
  text "VCC GND" at 149.346,32.054 h1 r90
  text "b" at 132,26.306 h18 r90
  text "+5V GND" at 149.271,20.654 h1 r90
Bottom Overlay:
  rectangle: 79.525,0.15 82.625,13.85

## Text inside footprints (layer, text, board x,y; h text height)
C16: Top Overlay "-" at 53.14,10.759 h3.05 r315; Top Overlay "+" at 45.956,18.661 h3.05 r315
D1: Top Overlay "- AC AC +" at 17.379,0.479 h0.8